# Altium PCB IOT_PLUG_PCB.PcbDoc
Units mm, origin at the board's own origin, x right, y up, seen from the top; angles counter-clockwise.
Board outline 98.04 x 56.64 mm, 2 copper layers (Top Layer, Bottom Layer); 74 components, 59 nets, 276 pads, 371 vias.
Unrouted connection lines stored in the file: 167.
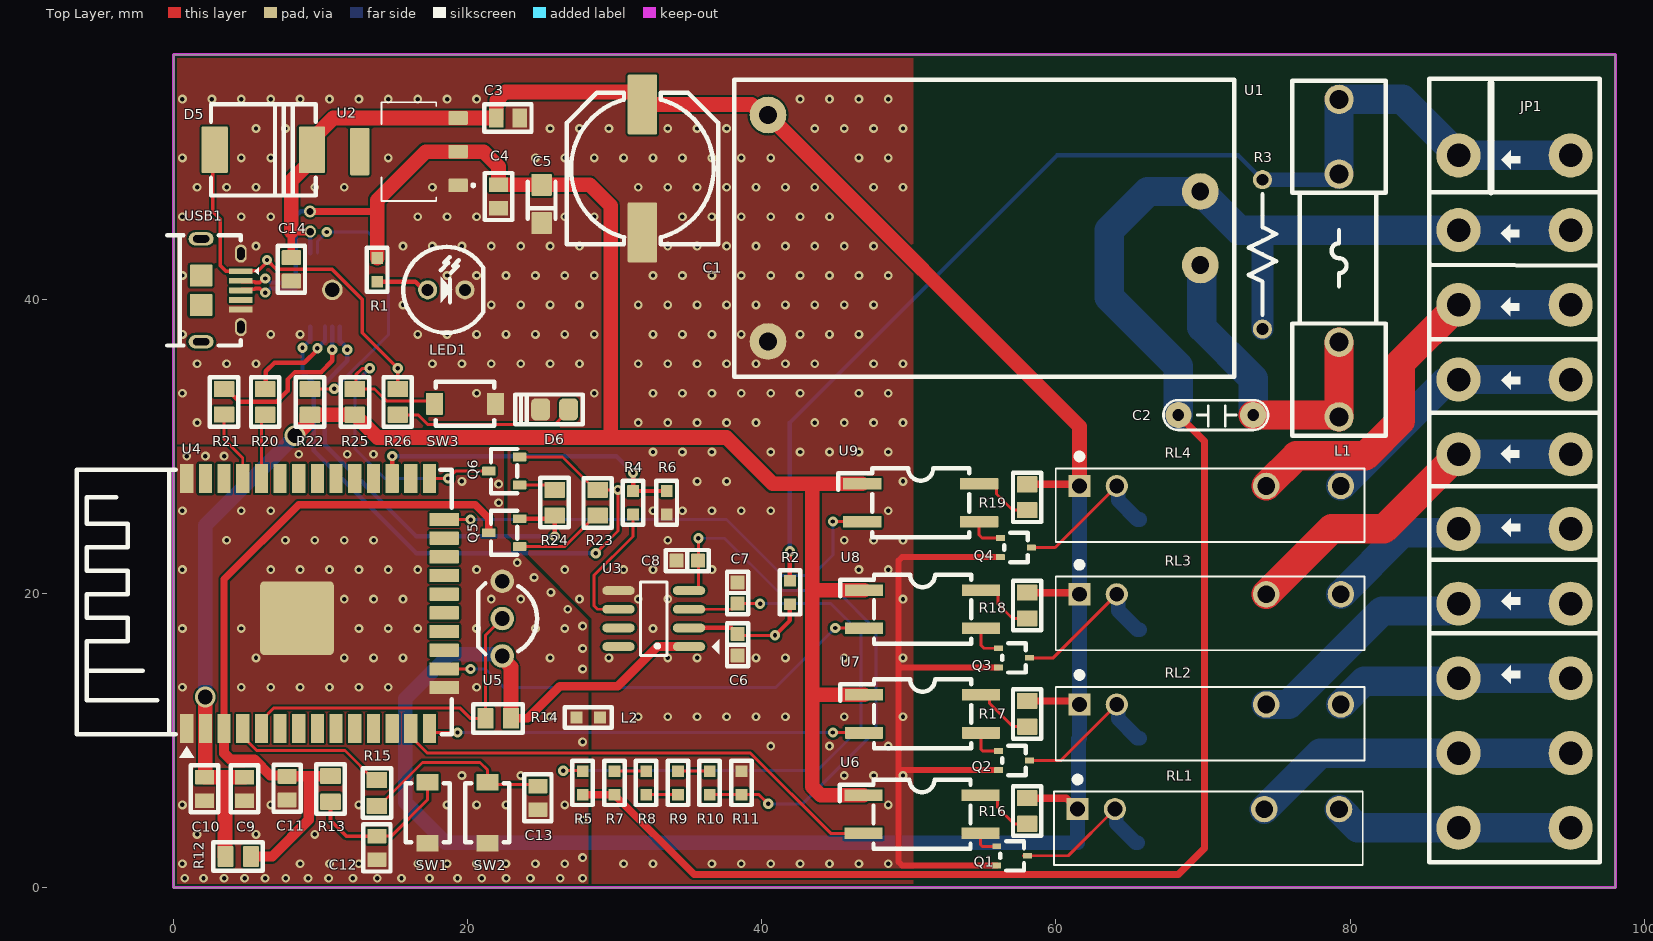
[diagram p0: Top Layer view]
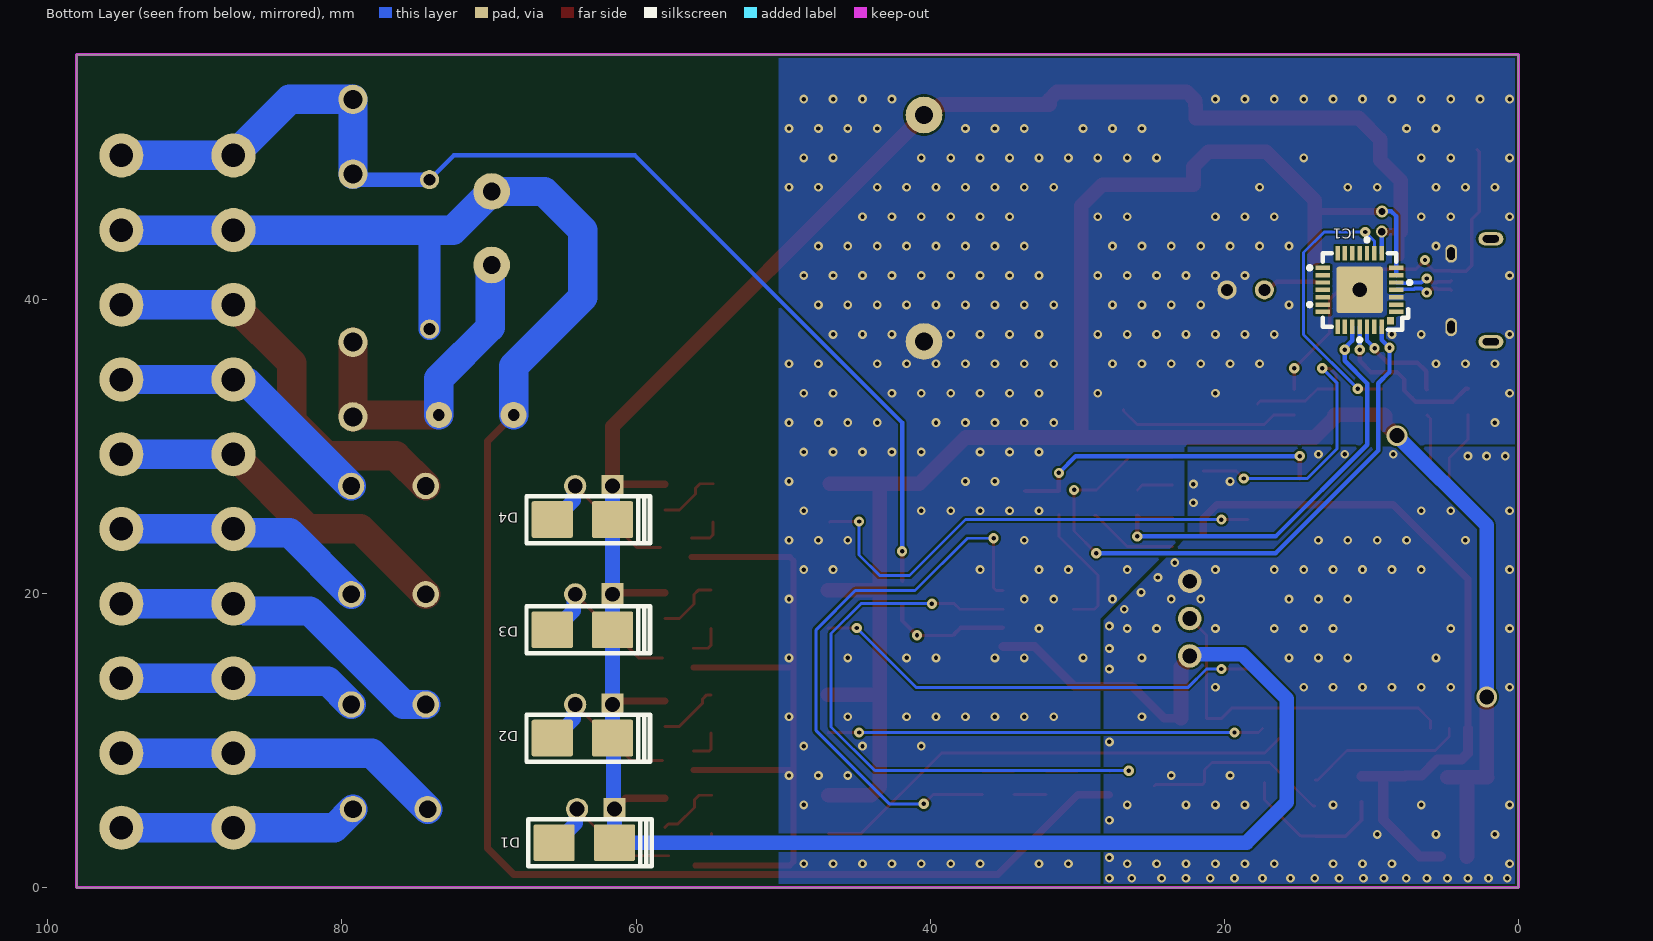
[diagram p1: Bottom Layer view, seen from below]
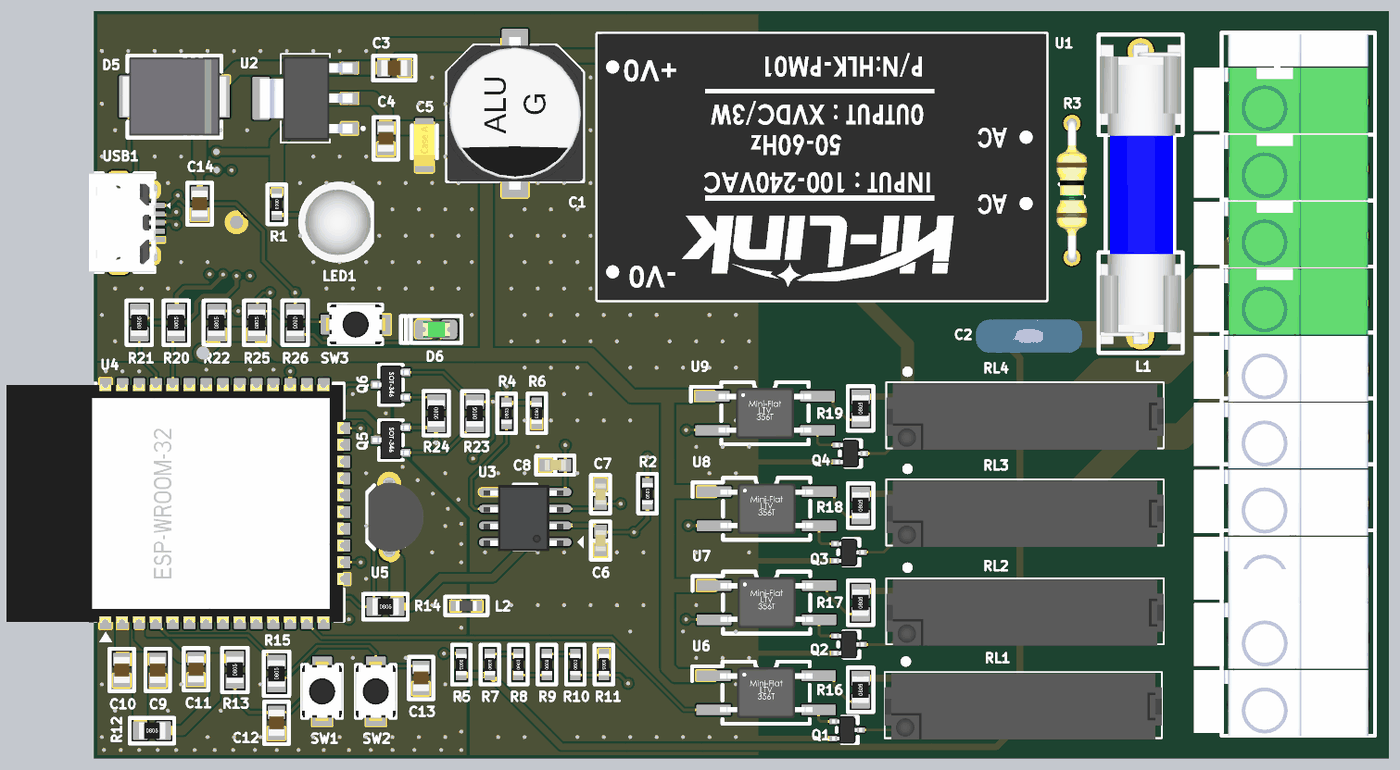
[diagram p2: 3D render of the assembled board from above, using the file's embedded part models]
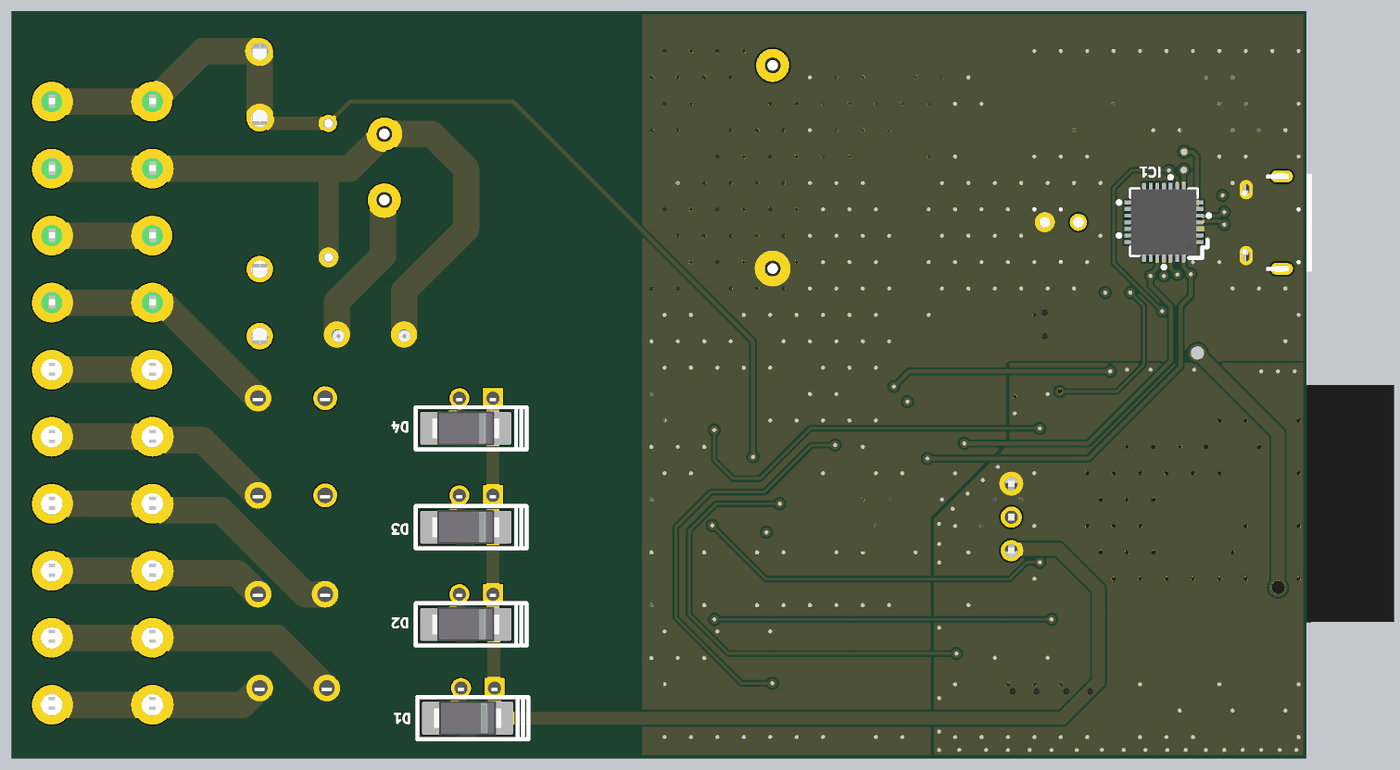
[diagram p3: 3D render of the assembled board from below, using the file's embedded part models]

## Layer stack, top to bottom
Top Solder: solder mask 0.0102, Solder Resist, Dk 3.5
Top Layer: signal copper 0.0356
Dielectric 1: dielectric 0.32, FR-4, Dk 4.8
Bottom Layer: signal copper 0.0356
Bottom Solder: solder mask 0.0102, Solder Resist, Dk 3.5

## Board outline
0,0 98.044,0 98.044,56.642 0,56.642

## Design rules (kind name [scope] priority, off if disabled: settings)
Clearance [All] p1: gap=0.15 ignorepadtopadclearanceinfootprint=TRUE
DiffPairsRouting [All] p1: maxlimit=0.153 minlimit=0.153 mostfreqgap=0.153 toplayer_minwidth=0.25 toplayer_maxwidth=0.25 toplayer_prefwidth=0.25 bottomlayer_minwidth=0.25 bottomlayer_maxwidth=0.25 bottomlayer_prefwidth=0.25 impedanceprofiledriven=TRUE impedanceprofileid={00B61F75-0BAA-47A8-AEE5-AD5DB1B82997} impedanceprofilevalue=90.000000 maxuncoupledlength=12.7
PlaneConnect [All] p1: planeconnectstyle=Direct reliefexpansion=0.508 reliefentries=4 reliefconductorwidth=0.254 reliefairgap=0.254
PolygonConnect [All] p1: connectstyle=Direct reliefconductorwidth=0.254 reliefentries=4 polygonreliefangle="90 Angle" airgapwidth=0.254
RoutingVias [All] p1: holewidth=0.3 width=0.7 viastyle="Through Hole" minholewidth=0.2 minwidth=0.4 maxholewidth=3 maxwidth=3
SilkToSolderMaskClearance [IsPad] p1: minsilkscreentomaskgap=0 clearancetoexposedcopper=TRUE
SolderMaskExpansion [All] p1: expansion=0.102 istentingtop=FALSE
SupplyNets "Schematic Supply Nets_6" [InNet('5V')] p1: voltage=0.000
SupplyNets "Schematic Supply Nets_5" [InNet('V220L')] p2: voltage=0.000
SupplyNets "Schematic Supply Nets_4" [InNet('PGND')] p3: voltage=0.000
SupplyNets "Schematic Supply Nets_3" [InNet('3.3V_ESP')] p4: voltage=0.000
SupplyNets "Schematic Supply Nets_2" [InNet('V220N')] p5: voltage=0.000
SupplyNets "Schematic Supply Nets_1" [InNet('DGND')] p6: voltage=0.000
SupplyNets "Schematic Supply Nets" [InNet('VCCUSB')] p7: voltage=0.000
Width [All] p1: maxlimit=5 minlimit=0.15 preferedwidth=0.3
27 further rules are at their usual default settings.

## Classes and differential pairs
differential pair class DIFF90: USB
net class NC_PW: 3.3V_ESP 5V RL1_1 RL1_2 RL2_1 RL2_2 RL3_1 RL3_2 RL4_1 RL4_2
net class NC90: USB_N USB_P
component class USB_UART: C14 D5 D6 IC1 Q5 Q6 R20 R21 R22 R23 R24 R25 R26 SW3 USB1
component class POWER: C1 C2 C3 C4 C5 C6 C7 C8 L1 L2 LED1 R1 R2 R3 R4 R5 R6 R7 R8 R9 R10 R11 U1 U2 U3
component class OUTPUT: D1 D2 D3 D4 JP1 Q1 Q2 Q3 Q4 R16 R17 R18 R19 RL1 RL2 RL3 RL4 U6 U7 U8 U9
component class ESP32: C9 C10 C11 C12 C13 R12 R13 R14 R15 SW1 SW2 U4 U5
differential pair USB: +USB_P -USB_N

## Components (designator, comment, footprint, x,y, rotation, side; value= is the part's Value field where it differs from the comment)
C1 "220uF" "CAP ALU CASE G SMD" 31.877,48.895 r270 top
C2 "0.1uF/275Vac" CN2 73.406,32.131 r180 top
C3 "0.1uF" CAP_CERA_C2012(CC0805INCH) 22.733,52.324 r180 top
C4 "0.1uF" CAP_CERA_C2012(CC0805INCH) 22.098,46.99 r90 top
C5 "22uF" "CAP TANT CASE A SMD" 25.019,46.482 r90 top
C6 "0.1uF" "Cap Ceramic 0603 SMD" 38.354,16.51 r90 top
C7 "0.1uF" "Cap Ceramic 0603 SMD" 38.354,20.029 r270 top
C8 "0.1uF" "Cap Ceramic 0603 SMD" 34.925,22.225 r0 top
C9 "22uF/25V/C0805/10%" CAP_CERA_C2012(CC0805INCH) 4.826,6.706 r90 top
C10 "0.1uF/25V/C0805/10%" CAP_CERA_C2012(CC0805INCH) 2.108,6.706 r90 top
C11 "0.1uF/25V/C0805/10%" CAP_CERA_C2012(CC0805INCH) 7.722,6.756 r90 top
C12 "10uF/25V/C0805/10%" CAP_CERA_C2012(CC0805INCH) 13.818,2.692 r270 top
C13 "10uF/25V/C0805/10%" CAP_CERA_C2012(CC0805INCH) 24.765,6.096 r270 top
C14 "0.1uF/25V" CAP_CERA_C2012(CC0805INCH) 8.001,42.037 r90 top
D1 "SSC53L-E3/57T" "1n4007 smd DO214" 63.518,3.048 r180 bottom
D2 "SSC53L-E3/57T" "1n4007 smd DO214" 63.645,10.16 r180 bottom
D3 "SSC53L-E3/57T" "1n4007 smd DO214" 63.645,17.526 r180 bottom
D4 "SSC53L-E3/57T" "1n4007 smd DO214" 63.645,25.019 r180 bottom
D5 "SK56L-TP" "30# SK56L-TPMSCT-ND" 6.096,50.165 r0 top
D6 "GREEN 0805" "Led 0805G" 25.908,32.512 r180 top
IC1 "CP2102-QFN28" CP2102-QFN28 10.795,40.64 r90 bottom
JP1 "JP8" "KF142V 10PIN" 91.186,32.004 r270 top value="Connector 8"
L1 "ASPI-7318-8R2M-TCT-ND" FUSE2_5A 79.248,42.799 r270 top
L2 "ASPI-7318-8R2M-TCT-ND" RES-ERJ3G-1608MM 28.194,11.557 r180 top
LED1 "LED" LED5R 17.272,40.64 r0 top value="LED 3 ly Single Colour"
Q1 "MCH3209-TL-E" "MCH3209-TL-E  SOT-323" 57.023,2.159 r270 top
Q2 "MCH3209-TL-E" "MCH3209-TL-E  SOT-323" 57.15,8.636 r270 top
Q3 "MCH3209-TL-E" "MCH3209-TL-E  SOT-323" 57.15,15.621 r270 top
Q4 "MCH3209-TL-E" "MCH3209-TL-E  SOT-323" 57.277,23.114 r270 top
Q5 "DTC143ZKAT146" "6# DTC143ZKAT146-E" 22.479,24.13 r90 top
Q6 "DTC143ZKAT146" "6# DTC143ZKAT146-E" 22.479,28.321 r90 top
R1 "10K" "Res 0603 SMD" 13.843,41.999 r270 top
R2 "1K" "Res 0603 SMD" 41.91,20.066 r90 top
R3 "1K" CFR25S 74.041,48.133 r270 top
R4 "10K" "Res 0603 SMD" 31.242,26.162 r90 top
R5 "1K" "Res 0603 SMD" 27.813,7.112 r270 top
R6 "15K" "Res 0603 SMD" 33.528,26.162 r270 top
R7 "470K" "Res 0603 SMD" 29.972,7.112 r90 top
R8 "470K" "Res 0603 SMD" 32.131,7.112 r90 top
R9 "470K" "Res 0603 SMD" 34.29,7.112 r90 top
R10 "470K" "Res 0603 SMD" 36.449,7.112 r90 top
R11 "1K" "Res 0603 SMD" 38.608,7.112 r270 top
R12 "10K/R0805/1%" "Res 0805 SMD" 4.394,2.108 r0 top
R13 "0R/R0805/1%" "Res 0805 SMD" 10.668,6.706 r90 top
R14 "4K7" "Res 0805 SMD" 22.073,11.506 r0 top
R15 "0R/R0805/1%" "Res 0805 SMD" 13.818,6.426 r90 top
R16 "10K" "Res 0805 SMD" 58.039,5.207 r90 top
R17 "10K" "Res 0805 SMD" 58.039,11.811 r90 top
R18 "10K" "Res 0805 SMD" 58.039,19.177 r90 top
R19 "10K" "Res 0805 SMD" 58.039,26.543 r90 top
R20 "1K" "Res 0805 SMD" 6.223,33.02 r90 top
R21 "1K" "Res 0805 SMD" 3.429,33.034 r90 top
R22 "4.7K" "Res 0805 SMD" 9.271,33.02 r90 top
R23 "10K" "Res 0805 SMD" 28.829,26.162 r90 top
R24 "10K" "Res 0805 SMD" 25.908,26.162 r270 top
R25 "10K" "Res 0805 SMD" 12.319,33.02 r90 top
R26 "1K" "Res 0805 SMD" 15.24,33.02 r270 top
RL1 "Relay T9GV1L14-5 30A 5V" RELAY_APAN3105 61.468,5.334 r0 top
RL2 "Relay T9GV1L14-5 30A 5V" RELAY_APAN3105 61.595,12.446 r0 top
RL3 "Relay T9GV1L14-5 30A 5V" RELAY_APAN3105 61.595,19.939 r0 top
RL4 "Relay T9GV1L14-5 30A 5V" RELAY_APAN3105 61.595,27.305 r0 top
SW1 "RST" "Button 3x4mm" 17.272,5.08 r90 top
SW2 "RST" "Button 3x4mm" 21.336,5.08 r90 top
SW3 "FLASH" "Button 3x4mm" 19.812,32.893 r0 top
U1 "HLK-5M05" "HILINK 5V/3W" 55.118,44.831 r180 top
U2 "AMS1117" SOT229P700X180-4N 16.002,50.038 r90 top
U3 "HLW8032" SO-8 32.652,18.288 r180 top
U4 "ESP-WROOM-32" "ESP32 WROOM" 0.889,10.813 r90 top locked
U5 "DS18B20" P2N2222AG 22.352,18.288 r270 top
U6 "TPC817S1B-SOP4" TPC817-4SOP 50.889,4.978 r0 top
U7 "TPC817S1B-SOP4" TPC817-4SOP 50.927,11.811 r0 top
U8 "TPC817S1B-SOP4" TPC817-4SOP 50.927,18.923 r0 top
U9 "TPC817S1B-SOP4" TPC817-4SOP 50.8,26.162 r0 top
USB1 "USB_Micro" "USB_MICRO_B - Digikey" 4.572,41.91 r270 top

## Footprints (in the part's own frame and the unit in brackets; to place one, negate y for a bottom-side part, rotate by r counter-clockwise, add the part's x,y. Pads: shape width x height; smd on the part's side, far side on the other; paste and mask are expansions set on the pad)
"1n4007 smd DO214" [mm] "DO214 4.57x2.79mm"
  rrect10% 2.8x2.5 smd mask+0.1: 1(-2.05,0) 2(2.05,0)
  silkscreen extent -3.8,-1.6 4.6,1.6, body extent -2.6,-1.3 2.6,1.3, height 2.5
"6# DTC143ZKAT146-E" [mm] "SOT-346 SMT3"
  rrect10% 0.6x0.9 smd mask+0.05: 1(0.95,-1.05) 2(-0.95,-1.05) 3(0,1.05)
  silkscreen extent -1.5,-0.9 1.5,0.9, body extent -1.45,-1.4 1.45,1.4, height 1.2
"30# SK56L-TPMSCT-ND" [mil] "SK56L-TPMSCT-ND(DO-214AB)"
  rrect10% 70x125 smd: 1(-130,0) 2(130,0)
  silkscreen extent -140,-122 140,122, body extent -156,-116 157,116, height 87
"Button 3x4mm" [mm] "SMD 3x4mm"
  rrect10% 1.143x1.5 smd: 1(-2.075,0) 2(2.075,0)
  silkscreen extent -2,-1.5 2,1.5, body extent -2.25,-1.55 2.25,1.55, height 2.05
"CAP ALU CASE G SMD" [mm]
  rrect10% 4.1x2 smd mask+0.1: 1(-4.35,0) 2(4.35,0)
  silkscreen extent -5.15,-5.15 5.15,5.15, body extent -5.8,-5.15 5.8,5.15, height 10.2
"Cap Ceramic 0603 SMD" [mm] "Reflow Soldering"
  rrect10% 0.95x0.95 smd mask+0.1: 1(-0.725,0) 2(0.725,0)
  silkscreen extent -1.45,-0.72 1.45,0.73, body extent -0.8,-0.4 0.8,0.4, height 0.85
"CAP TANT CASE A SMD" [mm] "32x16mm"
  rrect10% 1.5x1.4 smd mask+0.1: 1(-1.3,0) 2(1.3,0)
  silkscreen extent -1,-0.95 1.5,0.95, body extent -1.6,-0.8 1.6,0.8, height 1.65
CAP_CERA_C2012(CC0805INCH) [mm] "Chip Capacitor, 2-Leads, Body 2.0x1.3mm, IPC Medium Density"
  rrect10% 1x1.3 smd: 1(-0.8,0) 2(0.8,0)
  silkscreen extent -1.6,-0.93 1.6,0.93, body extent -1,-0.6 1,0.6, height 0.95
CFR25S [mm] "RESISTOR_1/4W"
  round 1.3 hole 0.8: 1(0,0) 2(10.16,0)
  silkscreen extent 0.98,-0.92 9.18,0.92, body extent -0.3,-1.16 10.47,1.16, height 2.93
CN2 [mil]
  round 70 hole 31: 1(0,0) 2(200,0)
  silkscreen extent -40,-40 240,40, body extent -54,-44 260,55, height 407
CP2102-QFN28 [mm] "QFN28 5x5 pitch 0.5"
  rrect10% 0.3x1 smd mask+0.05: 1(-1.5,-2.5) 2(-1,-2.5) 3(-0.5,-2.5) 4(0,-2.5) 5(0.5,-2.5) 6(1,-2.5) 7(1.5,-2.5) 15(1.5,2.5) 16(1,2.5) 17(0.5,2.5) 18(0,2.5) 19(-0.5,2.5) 20(-1,2.5) 21(-1.5,2.5)
  rrect10% 1x0.3 smd mask+0.05: 8(2.5,-1.5) 9(2.5,-1) 10(2.5,-0.5) 11(2.5,0) 12(2.5,0.5) 13(2.5,1) 14(2.5,1.5) 22(-2.5,1.5) 23(-2.5,1) 24(-2.5,0.5) 25(-2.5,0) 26(-2.5,-0.5) 27(-2.5,-1) 28(-2.5,-1.5)
  round 1.4 hole 1 mask+0.2: 29(0,0)
  rrect10% 3.15x3.15 smd mask+0.05: 29(0,0)
  rrect10% 0.5x0.5 smd mask+0.05: ""(-2.1,-2.1)
  silkscreen extent -3.5,-3.5 3.5,3.5, body extent -2.5,-2.5 2.5,2.5, height 1
"ESP32 WROOM" [mm] "ESP32 WROOM"
  rrect10% 2x0.9 smd: 1(0,0) 2(0,-1.27) 3(0,-2.54) 4(0,-3.81) 5(0,-5.08) 6(0,-6.35) 7(0,-7.62) 8(0,-8.89) 9(0,-10.16) 10(0,-11.43) 11(0,-12.7) 12(0,-13.97) 13(0,-15.24) 14(0,-16.51) 25(17,-16.51) 26(17,-15.24) 27(17,-13.97) 28(17,-12.7) 29(17,-11.43) 30(17,-10.16) 31(17,-8.89) 32(17,-7.62) 33(17,-6.35) 34(17,-5.08) 35(17,-3.81) 36(17,-2.54) 37(17,-1.27) 38(17,0)
  rrect10% 0.9x2 smd: 15(2.785,-17.51) 16(4.055,-17.51) 17(5.325,-17.51) 18(6.595,-17.51) 19(7.865,-17.51) 20(9.135,-17.51) 21(10.405,-17.51) 22(11.675,-17.51) 23(12.945,-17.51) 24(14.215,-17.51)
  rrect10% 5x5 smd: 39(7.5,-7.5)
  silkscreen extent -2,-18.02 17.6,7.49, body extent -0.54,-18.02 17.54,7.52, height 3
FUSE2_5A [mm] "Fuse 2.5A  250V"
  round 2 hole 1.3: 1(-10.795,0) 1(-5.715,0) 2(5.715,0) 2(10.795,0)
  silkscreen extent -12.06,-3.18 12.06,3.18, body extent -11.3,-3.09 11.4,3.1, height 9.6
"HILINK 5V/3W" [mm]
  round 2.5 hole 1.2: 1(-14.7,2.5) 2(-14.7,-2.5) 3(14.7,7.7) 4(14.7,-7.7)
  silkscreen extent -17,-10.1 17,10.1, body extent -17,-10.1 17,10.1, height 15.01
"KF142V 10PIN" [mm]
  round 3 hole 1.6 mask+0.1: 1(-17.78,-3.81) 2(-12.7,-3.81) 3(-7.62,-3.81) 4(-2.54,-3.81) 5(2.54,-3.81) 6(7.62,-3.81) 7(12.7,-3.81) 8(17.78,-3.81) 9(22.86,-3.81) 10(27.94,-3.81) 11(27.94,3.81) 12(22.86,3.81) 13(17.78,3.81) 14(12.7,3.81) 15(7.62,3.81) 16(2.54,3.81) 17(-2.54,3.81) 18(-7.62,3.81) 19(-12.7,3.81) 20(-17.78,3.81)
  silkscreen extent -23,-5.81 30.28,5.8, body extent -22.89,-7.91 30.27,5.3, height 14.1
LED5R [mm] "LED, RED, 2 LEAD, 5mm"
  round 1.3 hole 0.8: 1(0,0) 2(2.54,0)
  silkscreen extent -1.65,-2.92 3.77,2.92, body extent -1.71,-3.01 3.71,3.01, height 12.31
"Led 0805G" [mm] "Chip LED; Green; Body 2.0 x 1.3 mm (LxW typ)"
  rrect50% 1.3x1.5 smd: 1(-0.95,0) 2(0.95,0)
  silkscreen extent -1.91,-1.02 2.67,1.02, body extent -1.04,-0.62 0.98,0.62, height 1.1
"MCH3209-TL-E  SOT-323" [mm] "TRANS NPN 30V 3A MCPH3  SOT-323"
  rrect10% 0.4x0.6 smd mask+0.1: 1(-0.65,-1.05) 2(0.65,-1.05) 3(0,1.05)
  silkscreen extent -1,-0.8 1.1,0.8, body extent -1.05,-1.15 1.05,1.15, height 0.9
P2N2222AG [mm] "TO-92 Bent Lead, Flat Index; 3 In-Line, Axial Leads; Body Dia. 4.5mm; Leads 0.51 x 0.48 mm (max)"
  round 1.6 hole 1 mask+0.1: 1(-2.54,0) 2(0,0)
  round 1.6 hole 1: 3(2.54,0)
  silkscreen extent -2.41,-1.65 2.41,2.37, body extent -2.79,-1.59 2.79,2.61, height 10
RELAY_APAN3105 [mm]
  rect 1.508x1.508 / inner round 1.508 / far side rect 1.508x1.508 hole 1: 1(0,0)
  round 1.508 hole 1: 2(2.54,0)
  round 1.8 hole 1.2: 3(12.7,0) 4(17.78,0)
  silkscreen extent -1.61,-3.8 19.39,2.21, body extent -1.61,-3.9 19.39,1.1, height 12.8
"Res 0603 SMD" [mm] "Reflow Soldering"
  rrect5% 0.8x0.8 smd mask+0.1: 1(-0.8,0) 2(0.8,0)
  silkscreen extent -1.5,-0.7 1.5,0.7, body extent -0.8,-0.4 0.8,0.4, height 0.48
"Res 0805 SMD" [mm] "Reflow Soldering"
  rrect10% 1.1x1.4 smd mask+0.1: 1(-0.875,0) 2(0.875,0)
  silkscreen extent -1.69,-0.97 1.67,0.96, body extent -1,-0.62 1,0.63, height 0.62
RES-ERJ3G-1608MM [mm] "Chip Resistor, Body 1608mm, 0.1W 0603inch"
  rrect5% 0.8x0.8 smd mask+0.1: 1(-0.8,0) 2(0.8,0)
  silkscreen extent -1.6,-0.7 1.6,0.7, body extent -0.8,-0.4 0.8,0.4, height 0.55
SO-8 [mm] "8-Pin Small Outline Integrated Circuit 1.27 mm Pitch, IPC Medium Density"
  oval 2.2x0.6 smd: 1(-2.4,1.905) 2(-2.4,0.635) 3(-2.4,-0.635) 4(-2.4,-1.905) 5(2.4,-1.905) 6(2.4,-0.635) 7(2.4,0.635) 8(2.4,1.905)
  silkscreen extent -4.44,-2.5 0.9,2.5, body extent -2.89,-2.43 3.15,2.59, height 1.6
SOT229P700X180-4N [mm]
  rrect15% 0.93x1.31 smd: 1(-2.29,-3.345) 2(0,-3.345) 3(2.29,-3.345)
  rrect15% 3.24x1.31 smd: 4(0,3.345)
  silkscreen extent -3.36,-4.47 3.36,1.86, body extent -3.15,-3.57 3.15,3.43, height 1.8
TPC817-4SOP [mm] "OPTOISO 5KV TRANS 4SOP"
  rrect10% 2.6x0.8 smd: 1(-3.975,1.295) 2(-3.975,-1.295) 3(3.975,-1.295) 4(3.975,1.295)
  silkscreen extent -5.6,-2.35 3.3,2.35, body extent -3.5,-1.92 3.5,1.93, height 2
"USB_MICRO_B - Digikey" [mm] "USB_MICRO_B, 609-4618-1-ND"
  rrect10% 0.4x1.6 smd: 1(0,0) 2(0.65,0) 3(1.3,0) 4(1.95,0) 5(2.6,0)
  oval 1.25x0.8 hole 0.85 slot 0.5 at 90 deg: 6(-1.2,0) 7(3.8,0)
  oval 0.9x1.7 hole 0.5 slot 1.1 at 90 deg: 8(-2.2,-2.7) 9(4.8,-2.7)
  rrect10% 1.5x1.55 smd: ""(0.3,-2.7) ""(2.3,-2.7)
  silkscreen extent -2.45,-5 5.05,1.22, body extent -2.45,-5 5.05,0.29, height 2.61

## Part data
C1: library part 330uF/50V/ALU12.5X20mm/20%/7000Hrs, "CAP ALU 220UF 20% 50V SMD", ESR (Equivalent Series Resistance)=-, Lifetime @ Temp.="7000 Hrs @ 105°C", Manufacturer=Nichicon, Manufacturer Part Number=UPW1J331MHD, Operating Temperature="-55°C ~ 105°C", Package / Case="Radial, Can", Ripple Current - High Frequency="1.29A @ 100kHz", Ripple Current - Low Frequency="838.5mA @ 120Hz", Supplier Part Number 1=PCE5121TR-ND, Tolerance=±20%, Applications="General Purpose", Category=Capacitors, ComponentLink1Description=http://nichicon-us.com/english/products/pdfs/e-upw.pdf, ComponentLink1URL=http://nichicon-us.com/english/products/pdfs/e-upw.pdf, Height - Seated (Max)="0.787\" (20.00mm)", Lead Spacing="0.197\" (5.00mm)", Mounting Type="Through Hole", Packaging=Bulk, Part Status=Active, Polarization=Polar, RoHS="RoHS Compliant", Size / Dimension="0.492\" Dia (12.50mm)", Supplier 1=Digi-Key, Surface Mount Land Size=-
C2: library part 0.1uF/50V/C0603/10%, Manufacturer=Murata, ComponentLink1Description=http://www.murata.com/~/media/webrenewal/support/library/catalog/products/capacitor/mlcc/c02e.ashx, ComponentLink1URL=http://www.murata.com/~/media/webrenewal/support/library/catalog/products/capacitor/mlcc/c02e.ashx, Digikey=490-9961-1-ND
C3 C4 C10 C11 C12 C13 C14: library part 0.1uF/50V/C0603/10%, "0.1µF ±10% 25V Ceramic Capacitor X7R 0805 (2012 Metric)", ComponentLink1Description=http://www.murata.com/~/media/webrenewal/support/library/catalog/products/capacitor/mlcc/c02e.ashx, ComponentLink1URL=http://www.murata.com/~/media/webrenewal/support/library/catalog/products/capacitor/mlcc/c02e.ashx, Digikey=478-3755-1-ND
C5 C9: library part 0.1uF/50V/C0603/10%, "22µF ±20% 25V Ceramic Capacitor X5R 0805 (2012 Metric)", Manufacturer="Tariff Applied", ComponentLink1Description=http://www.murata.com/~/media/webrenewal/support/library/catalog/products/capacitor/mlcc/c02e.ashx, ComponentLink1URL=http://www.murata.com/~/media/webrenewal/support/library/catalog/products/capacitor/mlcc/c02e.ashx, Digikey=1276-2908-1-ND
C6 C7 C8: library part 0.1uF/50V/C0603/10%, "CAP CER 0.1UF 50V 10% X7R 0603", Capacitance=0.1µF, Manufacturer="Murata Electronics North America", Manufacturer Part Number=GRM188R71H104KA93D, Operating Temperature="-55°C ~ 125°C", Package / Case="0603 (1608 Metric)", Ratings=-, Supplier Part Number 1=490-1519-1-ND, Temperature Coefficient=X7R, Tolerance=±10%, Voltage - Rated=50V, Applications="General Purpose", Category=Capacitors, ComponentLink1Description=http://www.murata.com/~/media/webrenewal/support/library/catalog/products/capacitor/mlcc/c02e.ashx, ComponentLink1URL=http://www.murata.com/~/media/webrenewal/support/library/catalog/products/capacitor/mlcc/c02e.ashx, Features=-, Height - Seated (Max)=-, Lead Spacing=-, Lead Style=-, Mounting Type="Surface Mount, MLCC", Packaging="Tape & Reel (TR)", RoHS="RoHS Compliant", Size / Dimension="0.063\" L x 0.031\" W (1.60mm x 0.80mm)", Supplier 1=Digi-Key, Thickness (Max)="0.035\" (0.90mm)"